# Altium PCB UCL-CPUM-H7-1.PcbDoc (part 1 of 3) (continued)
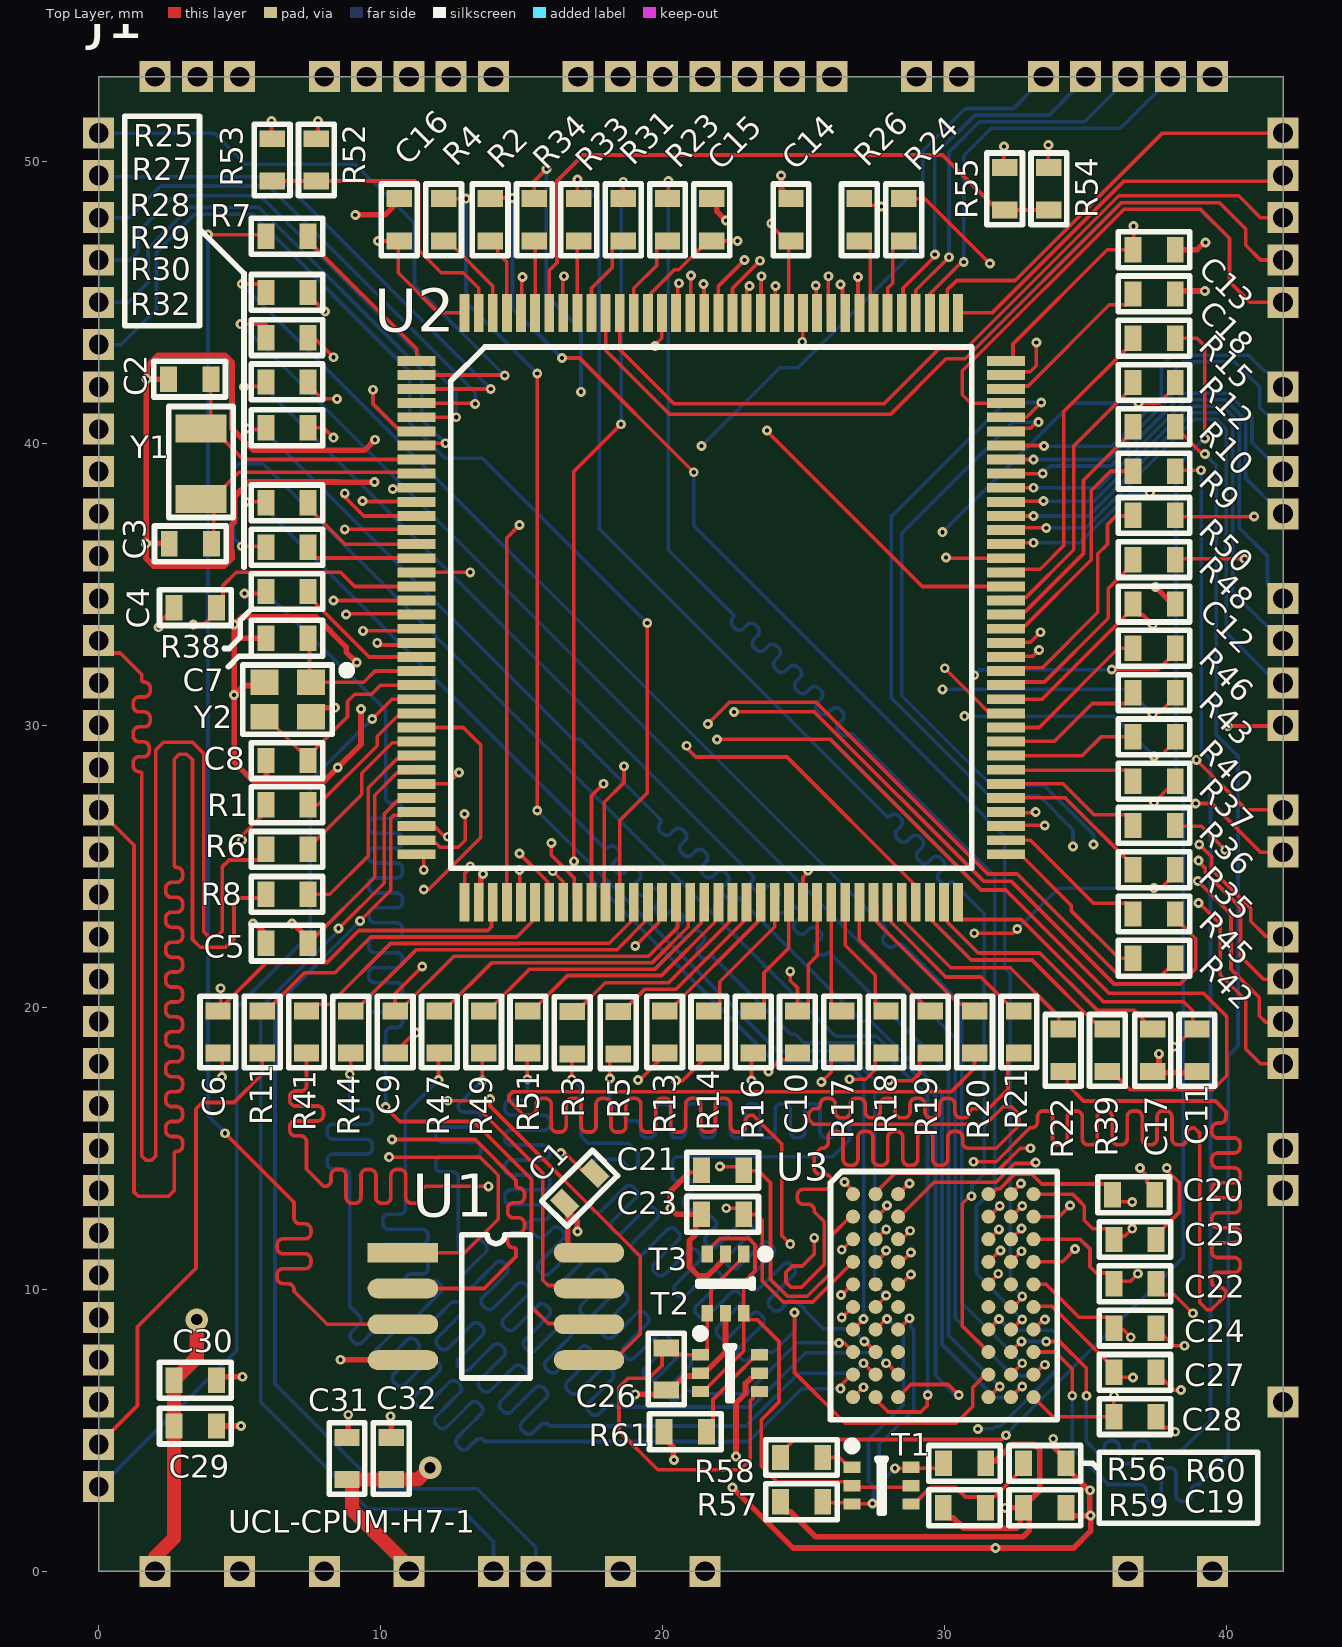
[diagram p0: Top Layer view]
## Components (designator, comment, footprint, x,y, rotation, side; value= is the part's Value field where it differs from the comment)
C1 "C-100nF-0603" Capacitor-0603 17.055,13.582 r45 top value=100nF
C2 "C-15pF-0603" Capacitor-0603 3.225,42.275 r0 top value=15pF
C3 "C-15pF-0603" Capacitor-0603 3.25,36.435 r0 top value=15pF
C4 "C-100nF-0603" Capacitor-0603 3.425,34.175 r0 top value=100nF
C5 "C-100nF-0603" Capacitor-0603 6.675,22.275 r0 top value=100nF
C6 "C-100nF-0603" Capacitor-0603 4.228,19.125 r90 top value=100nF
C7 "C-16pF-0603" Capacitor-0603 6.675,33.086 r0 top value=16pF
C8 "C-16pF-0603" Capacitor-0603 6.675,28.75 r0 top value=16pF
C9 "C-100nF-0603" Capacitor-0603 10.509,19.125 r90 top value=100nF
C10 "C-100nF-0603" Capacitor-0603 24.778,19.125 r90 top value=100nF
C11 "C-100nF-0603" Capacitor-0603 38.945,18.475 r90 top value=100nF
C12 "C-100nF-0603" Capacitor-0603 37.425,34.3 r180 top value=100nF
C13 "C-100nF-0603" Capacitor-0603 37.425,46.867 r180 top value=100nF
C14 "C-100nF-0603" Capacitor-0603 24.55,47.925 r270 top value=100nF
C15 "C-100nF-0603" Capacitor-0603 21.741,47.925 r270 top value=100nF
C16 "C-100nF-0603" Capacitor-0603 10.659,47.925 r270 top value=100nF
C17 "C-2.2uF-0603" Capacitor-0603 37.375,18.475 r90 top value=2.2uF
C18 "C-2.2uF-0603" Capacitor-0603 37.425,45.297 r180 top value=2.2uF
C19 "C-100nF-0603" Capacitor-0603 33.55,2.255 r180 top value=100nF
C20 "C-100nF-0603" Capacitor-0603 36.7,13.35 r180 top value=100nF
C21 "C-100nF-0603" Capacitor-0603 22.125,14.225 r0 top value=100nF
C22 "C-100nF-0603" Capacitor-0603 36.75,10.195 r180 top value=100nF
C23 "C-100nF-0603" Capacitor-0603 22.125,12.655 r0 top value=100nF
C24 "C-100nF-0603" Capacitor-0603 36.75,8.624 r180 top value=100nF
C25 "C-100nF-0603" Capacitor-0603 36.75,11.765 r180 top value=100nF
C26 "C-100nF-0603" Capacitor-0603 20.125,7.175 r90 top value=100nF
C27 "C-100nF-0603" Capacitor-0603 36.75,7.054 r180 top value=100nF
C28 "C-100nF-0603" Capacitor-0603 36.75,5.484 r180 top value=100nF
C29 "C-2.2uF-0603" Capacitor-0603 3.425,5.15 r180 top value=2.2uF
C30 "C-100nF-0603" Capacitor-0603 3.425,6.775 r180 top value=100nF
C31 "C-2.2uF-0603" Capacitor-0603 8.805,4 r270 top value=2.2uF
C32 "C-100nF-0603" Capacitor-0603 10.375,4 r270 top value=100nF
J1 "Ext-I/Os" EXT_IOS 0,0 r0 top locked
R1 "R-33R-0603" Resistor-0603 6.675,27.18 r180 top value=33R
R2 "R-33R-0603" Resistor-0603 13.88,47.925 r270 top value=33R
R3 "R-33R-0603" Resistor-0603 16.791,19.1 r270 top value=33R
R4 "R-33R-0603" Resistor-0603 12.23,47.925 r270 top value=33R
R5 "R-33R-0603" Resistor-0603 18.425,19.1 r270 top value=33R
R6 "R-33R-0603" Resistor-0603 6.675,25.6 r180 top value=33R
R7 "R-33R-0603" Resistor-0603 6.675,47.345 r0 top value=33R
R8 "R-33R-0603" Resistor-0603 6.675,24.005 r180 top value=33R
R9 "R-33R-0603" Resistor-0603 37.425,39.016 r0 top value=33R
R10 "R-33R-0603" Resistor-0603 37.425,40.586 r0 top value=33R
R11 "R-33R-0603" Resistor-0603 5.799,19.125 r90 top value=33R
R12 "R-33R-0603" Resistor-0603 37.425,42.156 r0 top value=33R
R13 "R-33R-0603" Resistor-0603 20.068,19.125 r90 top value=33R
R14 "R-33R-0603" Resistor-0603 21.638,19.125 r90 top value=33R
R15 "R-470R-0603" Resistor-0603 37.425,43.726 r0 top value=470R
R16 "R-33R-0603" Resistor-0603 23.208,19.125 r90 top value=33R
R17 "R-33R-0603" Resistor-0603 26.349,19.125 r90 top value=33R
R18 "R-33R-0603" Resistor-0603 27.919,19.125 r90 top value=33R
R19 "R-33R-0603" Resistor-0603 29.489,19.125 r90 top value=33R
R20 "R-33R-0603" Resistor-0603 31.059,19.125 r90 top value=33R
R21 "R-33R-0603" Resistor-0603 32.63,19.125 r90 top value=33R
R22 "R-33R-0603" Resistor-0603 34.2,18.475 r90 top value=33R
R23 "R-33R-0603" Resistor-0603 20.17,47.925 r90 top value=33R
R24 "R-33R-0603" Resistor-0603 28.545,47.925 r90 top value=33R
R25 "R-33R-0603" Resistor-0603 6.675,45.35 r0 top value=33R
R26 "R-33R-0603" Resistor-0603 26.975,47.925 r90 top value=33R
R27 "R-33R-0603" Resistor-0603 6.675,43.75 r0 top value=33R
R28 "R-33R-0603" Resistor-0603 6.675,42.175 r0 top value=33R
R29 "R-33R-0603" Resistor-0603 6.675,40.55 r0 top value=33R
R30 "R-33R-0603" Resistor-0603 6.675,37.886 r0 top value=33R
R31 "R-33R-0603" Resistor-0603 18.6,47.925 r270 top value=33R
R32 "R-33R-0603" Resistor-0603 6.675,36.316 r0 top value=33R
R33 "R-33R-0603" Resistor-0603 17.02,47.925 r270 top value=33R
R34 "R-33R-0603" Resistor-0603 15.45,47.925 r270 top value=33R
R35 "R-33R-0603" Resistor-0603 37.425,24.878 r0 top value=33R
R36 "R-33R-0603" Resistor-0603 37.425,26.449 r0 top value=33R
R37 "R-33R-0603" Resistor-0603 37.425,28.019 r0 top value=33R
R38 "R-33R-0603" Resistor-0603 6.675,34.745 r0 top value=33R
R39 "R-33R-0603" Resistor-0603 35.77,18.475 r90 top value=33R
R40 "R-33R-0603" Resistor-0603 37.425,29.589 r0 top value=33R
R41 "R-33R-0603" Resistor-0603 7.369,19.125 r90 top value=33R
R42 "R-33R-0603" Resistor-0603 37.425,21.738 r180 top value=33R
R43 "R-33R-0603" Resistor-0603 37.425,31.159 r0 top value=33R
R44 "R-33R-0603" Resistor-0603 8.939,19.125 r90 top value=33R
R45 "R-33R-0603" Resistor-0603 37.425,23.308 r180 top value=33R
R46 "R-33R-0603" Resistor-0603 37.425,32.73 r0 top value=33R
R47 "R-33R-0603" Resistor-0603 12.08,19.125 r90 top value=33R
R48 "R-33R-0603" Resistor-0603 37.425,35.875 r0 top value=33R
R49 "R-33R-0603" Resistor-0603 13.65,19.125 r90 top value=33R
R50 "R-33R-0603" Resistor-0603 37.425,37.445 r0 top value=33R
R51 "R-33R-0603" Resistor-0603 15.22,19.125 r90 top value=33R
R52 "R-10K-0603" Resistor-0603 7.72,50.05 r90 top value=10K
R53 "R-10K-0603" Resistor-0603 6.15,50.05 r270 top value=10K
R54 "R-10K-0603" Resistor-0603 33.695,49.025 r90 top value=10K
R55 "R-10K-0603" Resistor-0603 32.125,49.025 r270 top value=10K
R56 "R-309R-0603" Resistor-0603 30.706,3.825 r0 top value=309R
R57 "R-309R-0603" Resistor-0603 24.925,2.465 r180 top value=309R
R58 "R-470R-0603" Resistor-0603 24.925,4.035 r180 top value=470R
R59 "R-470R-0603" Resistor-0603 30.7,2.25 r0 top value=470R
R60 "R-470R-0603" Resistor-0603 33.55,3.825 r0 top value=470R
R61 "R-470R-0603" Resistor-0603 20.8,4.95 r180 top value=470R
T1 "MCH6001-TL-E" MCH6001-TL-E 26.71,3.685 r0 top
T2 "MCH6001-TL-E" MCH6001-TL-E 21.335,7.675 r0 top
T3 "MCH6001-TL-E" MCH6001-TL-E 22.875,11.25 r270 top
U1 "IS25WP128-JBLE" IS25WP128-JBLE 10.785,11.3 r0 top
U2 "STM32H743ZIT6" STM32H743ZIT6 11.275,42.925 r0 top
U3 "W947D6HBHX5E" W947D6HBHX5E 26.75,13.375 r0 top
Y1 "NX3215SA-32.768K-STD-MUA-9" NX3215SA-32.768K-STD-MUA-9 3.625,39.275 r90 top
Y2 "25MHz ±10ppm Cristal" 830107871909 7.525,30.3 r180 top

## Footprints (in the part's own frame and the unit in brackets; to place one, negate y for a bottom-side part, rotate by r counter-clockwise, add the part's x,y. Pads: shape width x height; smd on the part's side, far side on the other; paste and mask are expansions set on the pad)
830107871909 [mm]
  rect 1x0.9 smd: 1(0,-1.225) 2(1.65,-1.225) 3(1.65,0) 4(0,0)
  silkscreen extent -1.32,-1.84 2.41,0.61
Capacitor-0603 [mm]
  rect 0.6x0.9 smd: 1(-0.75,0) 2(0.75,0)
  silkscreen extent -1.27,-0.63 1.27,0.63, body extent -0.8,-0.4 0.8,0.4, height 0.81
EXT_IOS [mm]
  rect 1.1x1.1 hole 0.7 mask+0.102: 1(2,53) 2(3.5,53) 3(5,53) 4(8,53) 5(9.5,53) 6(11,53) 7(12.5,53) 8(14,53) 9(17,53) 10(18.5,53) 11(20,53) 12(21.5,53) 13(23,53) 14(24.5,53) 15(26,53) 16(29,53) 17(30.5,53) 18(33.5,53) 19(35,53) 20(36.5,53) 21(38,53) 22(39.5,53) 23(42,51) 24(42,49.5) 25(42,48) 26(42,46.5) 27(42,45) 28(42,42) 29(42,40.5) 30(42,39) 31(42,37.5) 32(42,34.5) 33(42,33) 34(42,31.5) 35(42,30) 36(42,27) 37(42,25.5) 38(42,22.5) 39(42,21) 40(42,19.5) 41(42,18) 42(42,15) 43(42,13.5) 44(42,6) 45(39.5,0) 46(36.5,0) 47(21.5,0) 48(18.5,0) 49(15.5,0) 50(14,0) 51(11,0) 52(8,0) 53(5,0) 54(2,0) 55(0,3) 56(0,4.5) 57(0,6) 58(0,7.5) 59(0,9) 60(0,10.5) 61(0,12) 62(0,13.5) 63(0,15) 64(0,16.5) 65(0,18) 66(0,19.5) 67(0,21) 68(0,22.5) 69(0,24) 70(0,25.5) 71(0,27) 72(0,28.5) 73(0,30) 74(0,31.5) 75(0,33) 76(0,34.5) 77(0,36) 78(0,37.5) 79(0,39) 80(0,40.5) 81(0,42) 82(0,43.5) 83(0,45) 84(0,46.5) 85(0,48) 86(0,49.5) 87(0,51)
IS25WP128-JBLE [mm]
  rect 2.5x0.7 smd: 1(0,0)
  oval 2.5x0.7 smd: 2(0,-1.27) 3(0,-2.54) 4(0,-3.81) 5(6.6,-3.81) 6(6.6,-2.54) 7(6.6,-1.27) 8(6.6,0)
  silkscreen extent 2.08,-4.44 4.51,0.64, body extent -0.64,-4.55 7.26,0.73, height 2.16
MCH6001-TL-E [mm]
  rect 0.6x0.4 smd: 1(0,0) 2(0,-0.65) 3(0,-1.3) 4(2.1,-1.3) 5(2.1,-0.65) 6(2.1,0)
  silkscreen extent -0.05,-1.63 1.21,0.81
NX3215SA-32.768K-STD-MUA-9 [mm]
  rect 1x1.8 smd: 1(-1.25,0) 2(1.25,0)
  silkscreen extent -1.91,-1.14 2.03,1.14
Resistor-0603 [mm]
  rect 0.6x0.9 smd: 1(-0.75,0) 2(0.75,0)
  silkscreen extent -1.27,-0.64 1.27,0.64, body extent -0.8,-0.4 0.8,0.4, height 0.47
STM32H743ZIT6 [mm]
  rect 1.35x0.35 smd: 1(0,0) 2(0,-0.5) 3(0,-1) 4(0,-1.5) 5(0,-2) 6(0,-2.5) 7(0,-3) 8(0,-3.5) 9(0,-4) 10(0,-4.5) 11(0,-5) 12(0,-5.5) 13(0,-6) 14(0,-6.5) 15(0,-7) 16(0,-7.5) 17(0,-8) 18(0,-8.5) 19(0,-9) 20(0,-9.5) 21(0,-10) 22(0,-10.5) 23(0,-11) 24(0,-11.5) 25(0,-12) 26(0,-12.5) 27(0,-13) 28(0,-13.5) 29(0,-14) 30(0,-14.5) 31(0,-15) 32(0,-15.5) 33(0,-16) 34(0,-16.5) 35(0,-17) 36(0,-17.5) 73(20.9,-17.5) 74(20.9,-17) 75(20.9,-16.5) 76(20.9,-16) 77(20.9,-15.5) 78(20.9,-15) 79(20.9,-14.5) 80(20.9,-14) 81(20.9,-13.5) 82(20.9,-13) 83(20.9,-12.5) 84(20.9,-12) 85(20.9,-11.5) 86(20.9,-11) 87(20.9,-10.5) 88(20.9,-10) 89(20.9,-9.5) 90(20.9,-9) 91(20.9,-8.5) 92(20.9,-8) 93(20.9,-7.5) 94(20.9,-7) 95(20.9,-6.5) 96(20.9,-6) 97(20.9,-5.5) 98(20.9,-5) 99(20.9,-4.5) 100(20.9,-4) 101(20.9,-3.5) 102(20.9,-3) 103(20.9,-2.5) 104(20.9,-2) 105(20.9,-1.5) 106(20.9,-1) 107(20.9,-0.5) 108(20.9,0)
  rect 0.35x1.35 smd: 37(1.7,-19.2) 38(2.2,-19.2) 39(2.7,-19.2) 40(3.2,-19.2) 41(3.7,-19.2) 42(4.2,-19.2) 43(4.7,-19.2) 44(5.2,-19.2) 45(5.7,-19.2) 46(6.2,-19.2) 47(6.7,-19.2) 48(7.2,-19.2) 49(7.7,-19.2) 50(8.2,-19.2) 51(8.7,-19.2) 52(9.2,-19.2) 53(9.7,-19.2) 54(10.2,-19.2) 55(10.7,-19.2) 56(11.2,-19.2) 57(11.7,-19.2) 58(12.2,-19.2) 59(12.7,-19.2) 60(13.2,-19.2) 61(13.7,-19.2) 62(14.2,-19.2) 63(14.7,-19.2) 64(15.2,-19.2) 65(15.7,-19.2) 66(16.2,-19.2) 67(16.7,-19.2) 68(17.2,-19.2) 69(17.7,-19.2) 70(18.2,-19.2) 71(18.7,-19.2) 72(19.2,-19.2) 109(19.2,1.7) 110(18.7,1.7) 111(18.2,1.7) 112(17.7,1.7) 113(17.2,1.7) 114(16.7,1.7) 115(16.2,1.7) 116(15.7,1.7) 117(15.2,1.7) 118(14.7,1.7) 119(14.2,1.7) 120(13.7,1.7) 121(13.2,1.7) 122(12.7,1.7) 123(12.2,1.7) 124(11.7,1.7) 125(11.2,1.7) 126(10.7,1.7) 127(10.2,1.7) 128(9.7,1.7) 129(9.2,1.7) 130(8.7,1.7) 131(8.2,1.7) 132(7.7,1.7) 133(7.2,1.7) 134(6.7,1.7) 135(6.2,1.7) 136(5.7,1.7) 137(5.2,1.7) 138(4.7,1.7) 139(4.2,1.7) 140(3.7,1.7) 141(3.2,1.7) 142(2.7,1.7) 143(2.2,1.7) 144(1.7,1.7)
  silkscreen extent 1.21,-17.99 19.69,0.49, body extent -0.5,-19.8 21.5,2.2, height 1.6
W947D6HBHX5E [mm]
  round 0.5 smd: A1(0,0) A2(0.8,0) A3(1.6,0) A7(4.8,0) A8(5.6,0) A9(6.4,0) B1(0,-0.8) B2(0.8,-0.8) B3(1.6,-0.8) B7(4.8,-0.8) B8(5.6,-0.8) B9(6.4,-0.8) C1(0,-1.6) C2(0.8,-1.6) C3(1.6,-1.6) C7(4.8,-1.6) C8(5.6,-1.6) C9(6.4,-1.6) D1(0,-2.4) D2(0.8,-2.4) D3(1.6,-2.4) D7(4.8,-2.4) D8(5.6,-2.4) D9(6.4,-2.4) E1(0,-3.2) E2(0.8,-3.2) E3(1.6,-3.2) E7(4.8,-3.2) E8(5.6,-3.2) E9(6.4,-3.2) F1(0,-4) F2(0.8,-4) F3(1.6,-4) F7(4.8,-4) F8(5.6,-4) F9(6.4,-4) G1(0,-4.8) G2(0.8,-4.8) G3(1.6,-4.8) G7(4.8,-4.8) G8(5.6,-4.8) G9(6.4,-4.8) H1(0,-5.6) H2(0.8,-5.6) H3(1.6,-5.6) H7(4.8,-5.6) H8(5.6,-5.6) H9(6.4,-5.6) J1(0,-6.4) J2(0.8,-6.4) J3(1.6,-6.4) J7(4.8,-6.4) J8(5.6,-6.4) J9(6.4,-6.4) K1(0,-7.2) K2(0.8,-7.2) K3(1.6,-7.2) K7(4.8,-7.2) K8(5.6,-7.2) K9(6.4,-7.2)
  silkscreen extent -0.8,-8 7.24,0.8, body extent -0.85,-8.15 7.25,0.95, height 1.02

## Part data
C1 C4 C5 C6 C9 C10 C11 C12 C13 C14 C15 C16 C19 C20 C21 C22 C23 C24 C25 C26 C27 C28 C30 C32: Supplier Part Number 1=1276-1006-1-ND, Supplier 1=Digi-Key
C2 C3: Supplier Part Number 1=399-C0603C150J5GAC7411CT-ND, Supplier 1=Digi-Key
C7 C8: Supplier Part Number 1=311-3964-1-ND, Supplier 1=Digi-Key
C17 C18 C29 C31: Supplier Part Number 1=1276-1085-1-ND, Supplier 1=Digi-Key
R1 R2 R3 R4 R5 R6 R7 R8 R9 R10 R11 R12 R13 R14 R16 R17 R18 R19 R20 R21 R22 R23 R24 R25 R26 R27 R28 R29 R30 R31 R32 R33 R34 R35 R36 R37 R38 R39 R40 R41 R42 R43 R44 R45 R46 R47 R48 R49 R50 R51: Supplier Part Number 1=RMCF0603FT33R0CT-ND, Supplier 1=Digi-Key
R15 R58 R59 R60 R61: Supplier Part Number 1=311-470HRCT-ND, Supplier 1=Digi-Key
R52 R53 R54 R55: Supplier Part Number 1=311-10.0KHRCT-ND, Supplier 1=Digi-Key
R56 R57: Supplier Part Number 1=311-309HRCT-ND, Supplier 1=Digi-Key
T1 T2 T3: Supplier Part Number 1=863-MCH6001-TL-E, Supplier 1=Mouser
U1: Supplier Part Number 1=706-1443-ND, Supplier 1=Digi-Key
U2: Supplier Part Number 1=497-17721-ND, Supplier 1=Digi-Key
U3: Supplier Part Number 1=W947D6HBHX5E-ND, Supplier 1=Digi-Key
Y1: Supplier Part Number 1=644-1155-1-ND, Supplier 1=Digi-Key
Y2: library part 830107871909

## Via types
v1: diameter 0.35, hole 0.15, Top Layer to Bottom Layer, 276 vias
v2: diameter 0.8, hole 0.4, Top Layer to Bottom Layer, 2 vias

## Nets (pads, with @x,y where several pads share a name; then routed paths per layer and width w, separated by ;. In a path a pad name is that pad's centre, name@x,y a point inside that pad or via, vN(x,y) a via of type N, cw(c..) or ccw(c..) an arc to the next point about the centre after c; other vN are vias at no path point)
ETH_MDC: J1.57 U2.27 | length 39.2
  Top Layer w0.13: U2.27@11.2,29.925 U2.27@11.275,29.925 12.925,29.925 13.55,29.3 13.55,26.025 11.7,24.175 v1(11.525,24.175)
  L4_Sig w0.13: J1.57@0.315,6 0.315,6.315 2.75,8.75 2.75,9.825 3.975,11.05 3.975,26.295 4.305,26.625 6.175,26.625 8.625,24.175 v1(11.525,24.175)
ETH_MDIO: J1.58 U2.36 | length 29.9
  Top Layer w0.13: U2.36@11.275,25.425 11.415,25.425 11.525,25.315 v1(11.525,24.875)
  L4_Sig w0.13: J1.58@0.315,7.5 0.315,7.815 3.745,11.245 3.745,26.39 4.21,26.855 6.345,26.855 8.275,24.925 11.415,24.925 11.423,24.917 11.567,24.917 v1(11.525,24.875)
"ETH_MII_ RX_ER": J1.69 U2.69 | length 35.1
  Top Layer w0.13: v1(20.85,29.275) 20.923,29.125 21.173,28.875 24.408,28.875 28.975,24.308 U2.69@28.975,23.725
  L4_Sig w0.13: J1.69@0.315,24 0.315,24.315 1.125,25.125 1.125,27.5 2.9,29.275 v1(20.85,29.275)
ETH_MII_COL: J1.59 U2.37 | length 31
  Top Layer w0.13: U2.37@12.975,23.725 12.975,24.741 13.175,24.94 v1(13.175,25)
  L4_Sig w0.13: J1.59@0.315,9 0.315,9.315 3.5,12.5 3.5,26.5 4.1,27.1 6.55,27.1 7.83,25.82 12.025,25.82 12.805,25.04 13.135,25.04 v1(13.175,25)
ETH_MII_CRS: J1.60 U2.34 | length 28.8
  Top Layer w0.13: U2.34@11.275,26.425 11.375,26.425 11.485,26.315 11.595,26.425 11.9,26.425 12.275,26.05 v1(12.375,26.05)
  L4_Sig w0.13: J1.60@0,10.5 3.27,13.77 3.27,26.62 3.995,27.345 6.705,27.345 8,26.05 v1(12.375,26.05)
ETH_MII_RX_CLK: J1.63 U2.35 | length 34.1
  Top Layer w0.13: U2.35@11.858,25.925 U2.35@11.275,25.925 11.385,25.815 11.968,25.815 12.104,25.679 12.754,25.679 13,25.925 13,26.827 v1(12.976,26.851)
  L4_Sig w0.13: J1.63@0.315,15.315 0.315,15 0.44,15.125 0.8,15.125 1.075,15.4 1.075,16.75 1.2,16.875 1.45,16.875 1.55,16.775 1.55,15.1 1.1,14.65 1.1,14.275 1.275,14.1 1.45,14.1 2.795,15.445 2.795,26.945 3.675,27.825 6.95,27.825 7.9,26.875 12.951,26.875 v1@12.975,26.851
ETH_MII_RX_DV: J1.64 U2.43 | length 32.7
  Top Layer w0.13: v1(14.925,25.45) 15.925,24.45 U2.43@15.925,23.725 ; U2.43@15.925,23.725 U2.43@15.975,23.725
  L4_Sig w0.13: J1.64@0,16.5 1.2,17.7 1.625,17.7 1.925,17.4 1.925,15.475 2.025,15.375 2.275,15.375 2.565,15.665 2.565,27.04 3.595,28.07 7.031,28.07 7.901,27.2 13.175,27.2 v1(14.925,25.45)
ETH_MII_RXD0: J1.65 U2.44 | length 32.7
  Top Layer w0.13: v1(16.1,24.825) 16.475,24.45 U2.44@16.475,23.725
  L4_Sig w0.13: J1.65@0.315,18 0.315,18.315 2.275,20.275 2.275,27.125 3.45,28.3 7.126,28.3 7.976,27.45 13.525,27.45 15.49,25.485 16.14,25.485 16.425,25.2 16.425,24.325 15.1,23 14.75,23 14.625,23.125 14.625,23.35 v1(16.1,24.825)
ETH_MII_RXD1: J1.66 U2.45 | length 33.5
  Top Layer w0.13: v1(16.05,25.825) 16.05,25.4 16.865,24.585 16.865,23.835 U2.45@16.975,23.725
  L4_Sig w0.13: J1.66@0.315,19.5 0.315,19.815 2.025,21.525 2.025,27.2 3.355,28.53 7.221,28.53 8.051,27.7 13.825,27.7 14.89,26.635 16.135,26.635 16.55,27.05 17.725,27.05 17.825,26.95 17.825,26.8 17.7,26.675 16.675,26.675 16.55,26.55 16.55,26.326 16.626,26.25 17.75,26.25 17.896,26.104 17.896,25.996 17.725,25.825 v1(16.05,25.825) v1@16.03,25.845
ETH_MII_RXD2: J1.67 U2.46 | length 32.5
  Top Layer w0.13: U2.46@17.475,23.725 17.4,23.725 17.475,23.8 17.475,27.501 v1(17.901,27.926)
  L4_Sig w0.13: J1.67@0.315,21 0.315,21.315 1.725,22.725 1.725,27.225 3.299,28.8 7.276,28.8 8.146,27.93 13.022,27.93 13.204,27.93 ccw(c13.204,28.118) 13.392,28.118 cw(c13.604,28.118) 13.604,28.33 13.71,28.33 cw(c13.71,28.118) 13.922,28.118 ccw(c14.11,28.118) 14.11,27.93 14.264,27.93 ccw(c14.264,28.118) 14.452,28.118 cw(c14.664,28.118) 14.664,28.33 14.77,28.33 cw(c14.77,28.118) 14.982,28.118 14.982,27.93 14.982,27.742 ccw(c15.194,27.742) 15.194,27.53 15.3,27.53 ccw(c15.3,27.742) 15.512,27.742 15.512,27.93 15.512,28.118 cw(c15.724,28.118) 15.724,28.33 15.83,28.33 cw(c15.83,28.118) 16.042,28.118 16.042,27.93 16.042,27.742 ccw(c16.254,27.742) 16.254,27.53 16.36,27.53 ccw(c16.36,27.742) 16.572,27.742 16.572,27.93 16.572,28.118 cw(c16.784,28.118) 16.784,28.33 16.89,28.33 cw(c16.89,28.118) 17.102,28.118 17.102,27.93 17.102,27.742 ccw(c17.314,27.742) 17.314,27.53 17.42,27.53 ccw(c17.42,27.742) 17.632,27.742 cw(c17.82,27.742) 17.82,27.93 17.897,27.93 v1(17.901,27.926)
ETH_MII_RXD3: J1.68 U2.47 | length 32.7
  Top Layer w0.13: U2.47@17.975,23.725 17.975,24.125 17.925,24.175 17.925,27.275 18.625,27.975 v1(18.625,28.55)
  L4_Sig w0.13: J1.68@0.315,22.5 0.315,22.815 1.425,23.925 1.425,27.375 3.095,29.045 8.45,29.045 8.667,29.045 cw(c8.667,28.857) 8.855,28.857 ccw(c9.067,28.857) 9.067,28.645 9.173,28.645 ccw(c9.173,28.857) 9.385,28.857 cw(c9.573,28.857) 9.573,29.045 9.727,29.045 cw(c9.727,28.857) 9.915,28.857 ccw(c10.127,28.857) 10.127,28.645 10.233,28.645 ccw(c10.233,28.857) 10.445,28.857 cw(c10.633,28.857) 10.633,29.045 10.787,29.045 cw(c10.787,28.857) 10.975,28.857 ccw(c11.187,28.857) 11.187,28.645 11.293,28.645 ccw(c11.293,28.857) 11.505,28.857 cw(c11.693,28.857) 11.693,29.045 11.847,29.045 cw(c11.847,28.857) 12.035,28.857 ccw(c12.247,28.857) 12.247,28.645 12.353,28.645 ccw(c12.353,28.857) 12.565,28.857 cw(c12.753,28.857) 12.753,29.045 12.907,29.045 cw(c12.907,28.857) 13.095,28.857 ccw(c13.307,28.857) 13.307,28.645 13.413,28.645 ccw(c13.413,28.857) 13.625,28.857 cw(c13.813,28.857) 13.813,29.045 13.967,29.045 cw(c13.967,28.857) 14.155,28.857 ccw(c14.367,28.857) 14.367,28.645 14.473,28.645 ccw(c14.473,28.857) 14.685,28.857 cw(c14.873,28.857) 14.873,29.045 15.027,29.045 cw(c15.027,28.857) 15.215,28.857 ccw(c15.427,28.857) 15.427,28.645 15.533,28.645 ccw(c15.533,28.857) 15.745,28.857 cw(c15.933,28.857) 15.933,29.045 16.087,29.045 cw(c16.087,28.857) 16.275,28.857 ccw(c16.487,28.857) 16.487,28.645 16.593,28.645 ccw(c16.593,28.857) 16.805,28.857 cw(c16.993,28.857) 16.993,29.045 17.147,29.045 cw(c17.147,28.857) 17.335,28.857 ccw(c17.547,28.857) 17.547,28.645 17.653,28.645 ccw(c17.653,28.857) 17.865,28.857 cw(c18.053,28.857) 18.053,29.045 18.13,29.045 v1(18.625,28.55)
ETH_MII_TX_CLK: J1.71 R8.2 | length 50.3
  Top Layer w0.13: J1.71@0,27 1.25,25.75 1.25,13.45 1.4,13.3 2.475,13.3 2.675,13.5 2.675,14.375 2.675,14.802 cw(c2.763,14.802) 2.763,14.89 ccw(c2.763,15.102) 2.975,15.102 2.975,15.208 ccw(c2.763,15.208) 2.763,15.42 2.675,15.42 2.587,15.42 cw(c2.587,15.632) 2.375,15.632 2.375,15.738 cw(c2.587,15.738) 2.587,15.95 2.675,15.95 2.763,15.95 ccw(c2.763,16.162) 2.975,16.162 2.975,16.268 ccw(c2.763,16.268) 2.763,16.48 2.675,16.48 2.587,16.48 cw(c2.587,16.692) 2.375,16.692 2.375,16.798 cw(c2.587,16.798) 2.587,17.01 2.675,17.01 2.763,17.01 ccw(c2.763,17.222) 2.975,17.222 2.975,17.328 ccw(c2.763,17.328) 2.763,17.54 2.675,17.54 2.587,17.54 cw(c2.587,17.752) 2.375,17.752 2.375,17.858 cw(c2.587,17.858) 2.587,18.07 2.675,18.07 2.763,18.07 ccw(c2.763,18.282) 2.975,18.282 2.975,18.388 ccw(c2.763,18.388) 2.763,18.6 2.675,18.6 2.587,18.6 cw(c2.587,18.812) 2.375,18.812 2.375,18.918 cw(c2.587,18.918) 2.587,19.13 2.675,19.13 2.763,19.13 ccw(c2.763,19.342) 2.975,19.342 2.975,19.448 ccw(c2.763,19.448) 2.763,19.66 2.675,19.66 2.587,19.66 cw(c2.587,19.872) 2.375,19.872 2.375,19.978 cw(c2.587,19.978) 2.587,20.19 2.675,20.19 2.763,20.19 ccw(c2.763,20.402) 2.975,20.402 2.975,20.508 ccw(c2.763,20.508) 2.763,20.72 2.675,20.72 2.587,20.72 cw(c2.587,20.932) 2.375,20.932 2.375,21.038 cw(c2.587,21.038) 2.587,21.25 2.675,21.25 2.763,21.25 ccw(c2.763,21.462) 2.975,21.462 2.975,21.568 ccw(c2.763,21.568) 2.763,21.78 2.675,21.78 2.587,21.78 cw(c2.587,21.992) 2.375,21.992 2.375,22.098 cw(c2.587,22.098) 2.587,22.31 2.675,22.31 2.763,22.31 ccw(c2.763,22.522) 2.975,22.522 2.975,22.628 ccw(c2.763,22.628) 2.763,22.84 2.675,22.84 2.587,22.84 cw(c2.587,23.052) 2.375,23.052 2.375,23.158 cw(c2.587,23.158) 2.587,23.37 2.675,23.37 2.763,23.37 ccw(c2.763,23.582) 2.975,23.582 2.975,23.688 ccw(c2.763,23.688) 2.763,23.9 2.675,23.9 2.587,23.9 cw(c2.587,24.112) 2.375,24.112 2.375,24.218 cw(c2.587,24.218) 2.587,24.43 2.675,24.43 2.763,24.43 ccw(c2.763,24.642) 2.975,24.642 2.975,24.748 ccw(c2.763,24.748) 2.763,24.96 cw(c2.763,25.048) 2.675,25.048 2.675,25.225 2.675,28.8 2.85,28.975 3.125,28.975 3.325,28.775 3.325,22.4 3.6,22.125 4.5,22.125 4.8,22.425 4.8,23.7 4.975,23.875 5.92,23.875 R8.2@6.05,24.005